# KiCad board panel.kicad_pcb (continued)
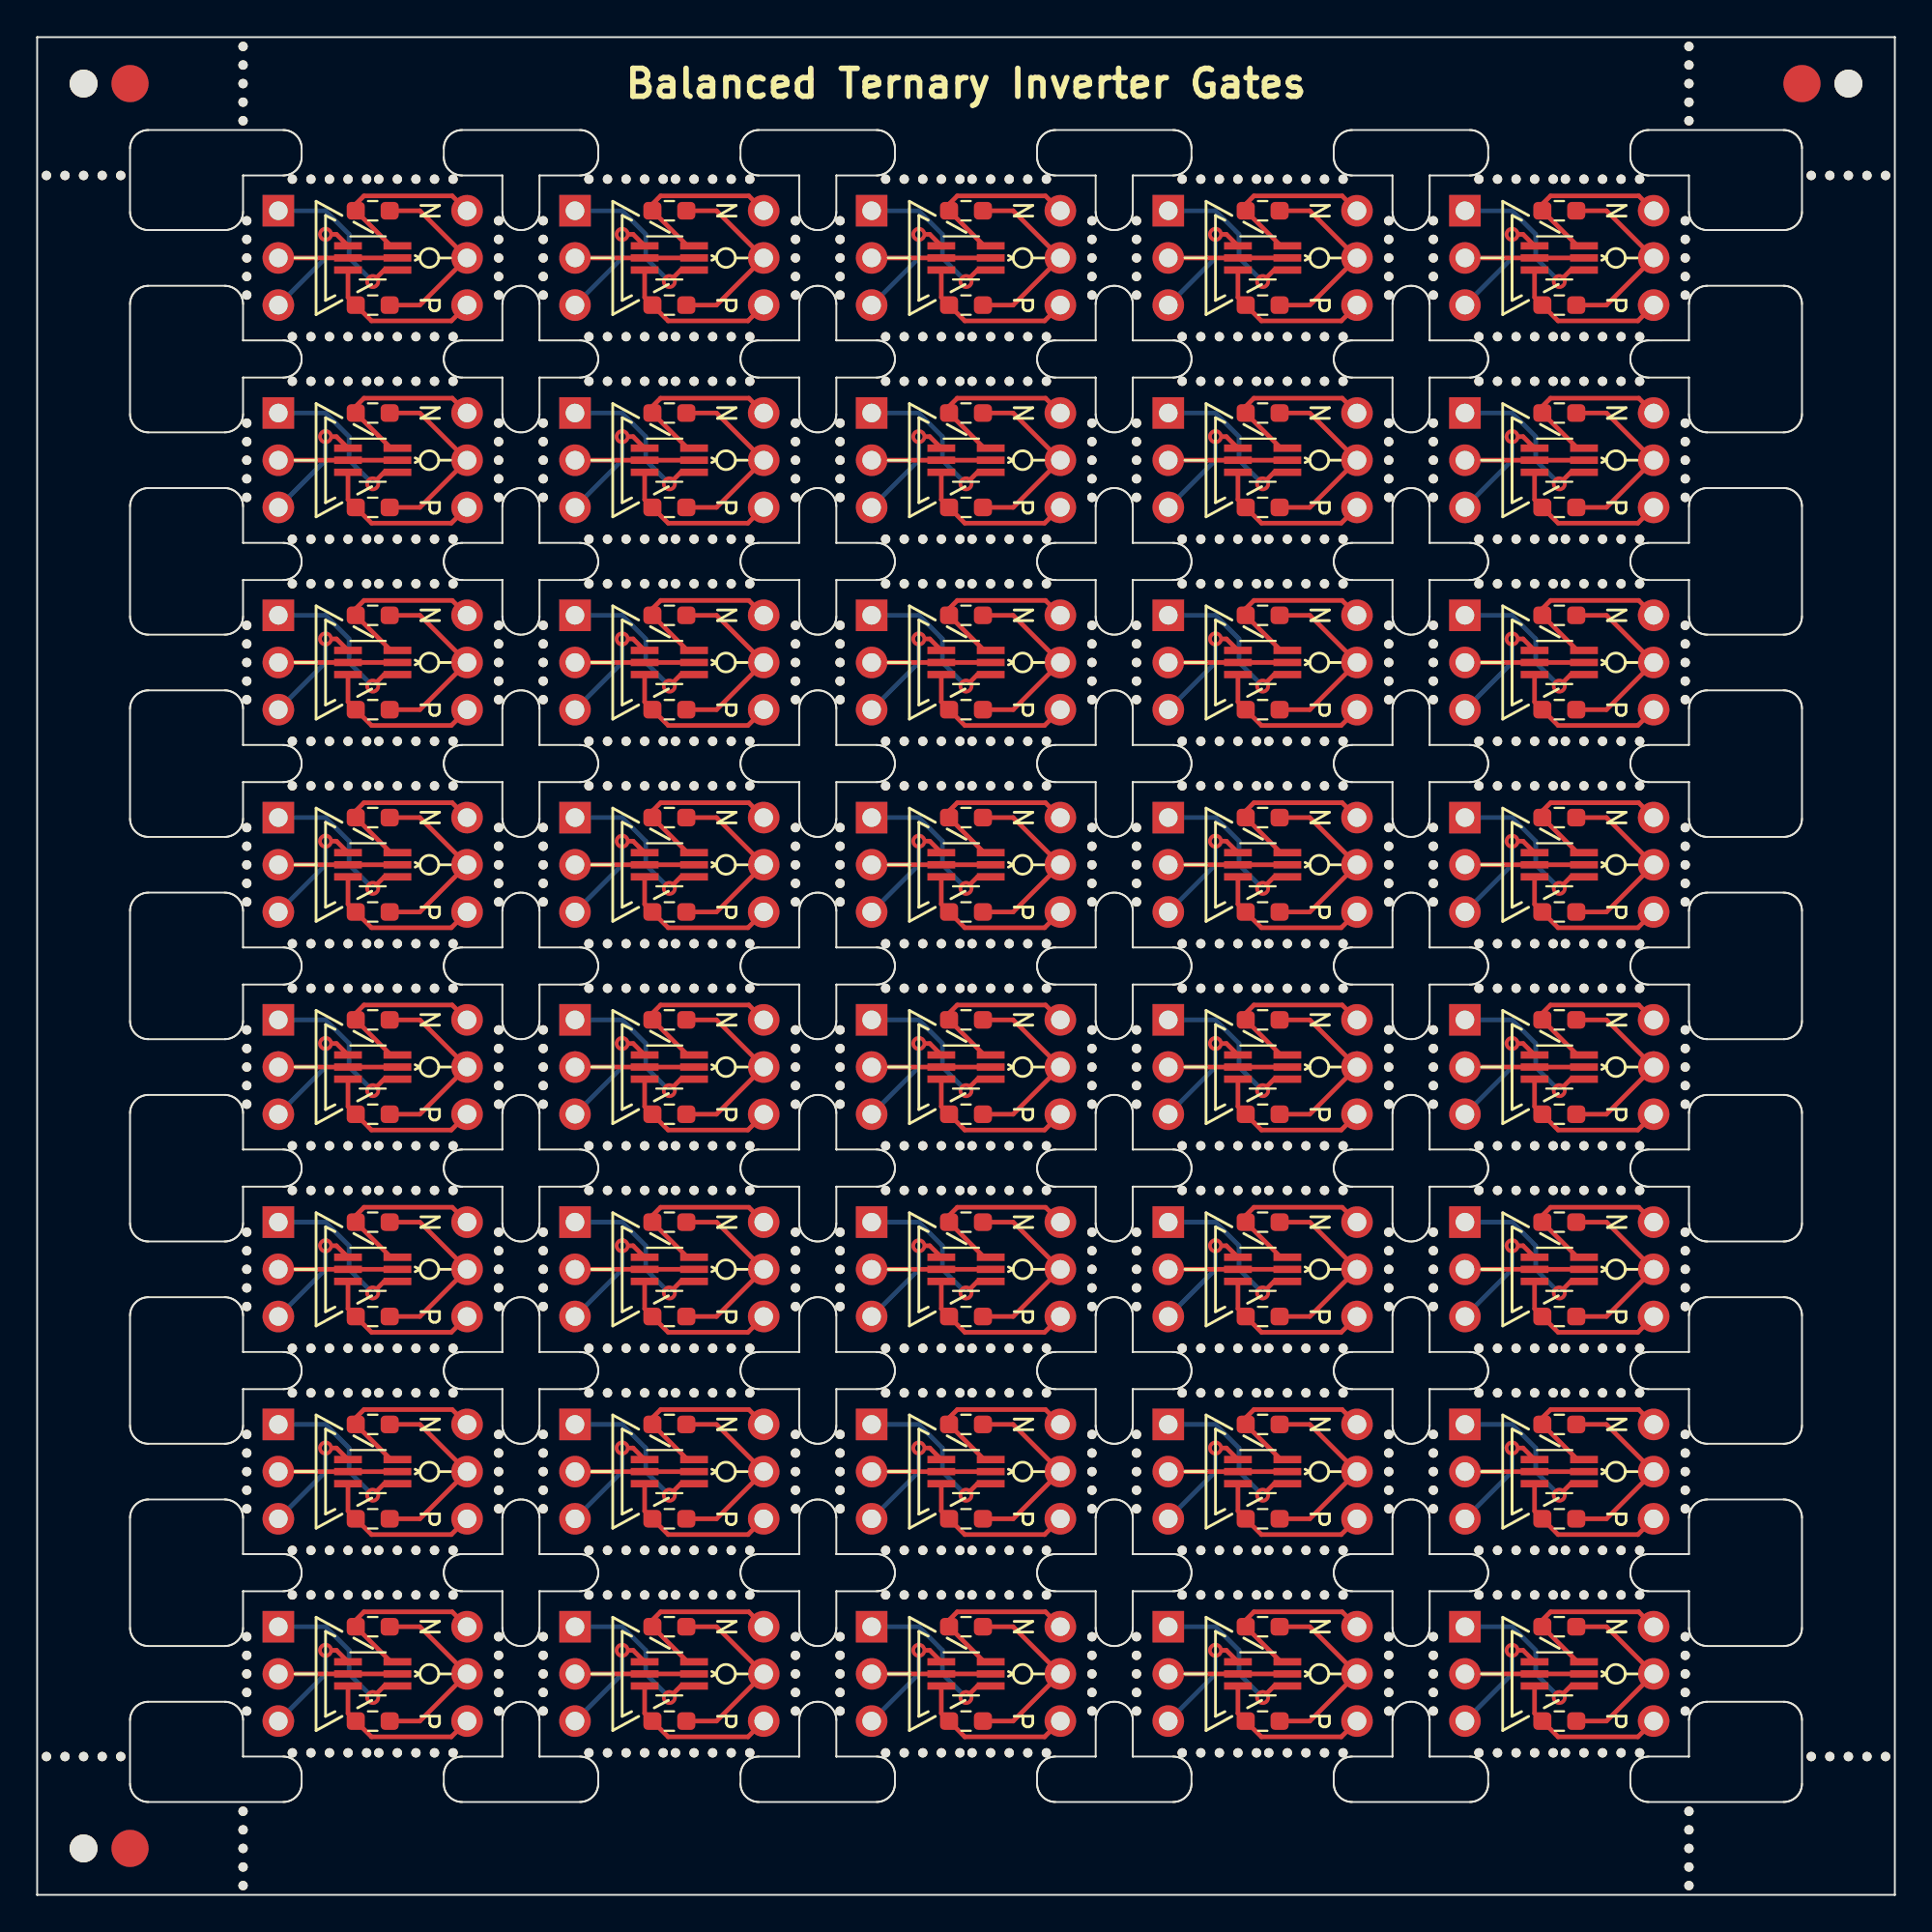
[diagram p0: board, top side]
## Nets (continued)
Board_39-In: J1#9.2 Q1#22.2 Q1#22.5
Board_39-Nti: J2#27.1 Q1#22.6 R2#38.2
Board_39-Out: J2#27.2 R1#2.2 R2#38.1
Board_39-Pti: J2#27.3 Q1#22.3 R1#2.1
Board_39-VDD: J1#9.1 Q1#22.4
Board_39-VSS: J1#9.3 Q1#22.1

## Via types
v1: diameter 0.8, hole 0.4, Top to Bottom, 80 vias

## Routing (per net, layer and track width the routed paths; a pad name or vN(x,y) marks a point on that pad's centre or on a via; arc(x,y) is an arc through that point)
Board_0-In: length 6.4
  Top w0.25: 19.4,88.13 Q1#39.2 J1#22.2
Board_0-Nti: length 9.9
  Top w0.25: J2#25.1 22.34,91.47 17.59,91.47 17.15,91.02 R2#31.2 19.04,88.78 19.4,88.78
Board_0-Out: length 10.4
  Top w0.25: R1#32.2 20.6,85.59 J2#25.2 20.6,90.67 R2#31.1
Board_0-Pti: length 8.8
  Top w0.25: J2#25.3 22.3,84.74 18,84.74 R1#32.1 16.73,86 Q1#39.3
Board_0-VDD: length 9
  Top w0.25: 19.4,87.48 18.69,87.48 v1(18.06,86.86)
  Bottom w0.25: v1(18.06,86.86) 16.8,88.13 16.8,89.4 15.52,90.67 J1#22.1
Board_0-VSS: length 6.3
  Top w0.25: Q1#39.1 16.11,89.4 v1(15.52,89.4)
  Bottom w0.25: J1#22.3 15.52,88.13 v1(15.52,89.4)
Board_1-In: length 6.4
  Top w0.25: J1#10.2 Q1#16.2 Q1#16.5
Board_1-Nti: length 9.9
  Top w0.25: Q1#16.6 35.01,88.78 R2#10.2 33.12,91.02 33.56,91.47 38.31,91.47 J2#14.1
Board_1-Out: length 10.4
  Top w0.25: R2#10.1 36.58,90.67 J2#14.2 36.58,85.59 R1#33.2
Board_1-Pti: length 8.8
  Top w0.25: J2#14.3 38.27,84.74 33.97,84.74 R1#33.1 32.7,86 Q1#16.3
Board_1-VDD: length 9
  Top w0.25: Q1#16.4 34.66,87.48 v1(34.03,86.86)
  Bottom w0.25: J1#10.1 31.49,90.67 32.77,89.4 32.77,88.13 v1(34.03,86.86)
Board_1-VSS: length 6.3
  Top w0.25: Q1#16.1 32.09,89.4 v1(31.49,89.4)
  Bottom w0.25: v1(31.49,89.4) 31.49,88.13 J1#10.3
Board_2-In: length 6.4
  Top w0.25: Q1#37.5 Q1#37.2 J1#33.2
Board_2-Nti: length 9.9
  Top w0.25: Q1#37.6 50.98,88.78 R2#25.2 49.09,91.02 49.53,91.47 54.28,91.47 J2#4.1
Board_2-Out: length 10.4
  Top w0.25: R1#18.2 52.55,85.59 J2#4.2 52.55,90.67 R2#25.1
Board_2-Pti: length 8.8
  Top w0.25: Q1#37.3 48.67,86 R1#18.1 49.94,84.74 54.23,84.74 J2#4.3
Board_2-VDD: length 9
  Top w0.25: Q1#37.4 50.62,87.48 v1(50,86.86)
  Bottom w0.25: v1(50,86.86) 48.73,88.13 48.73,89.4 47.47,90.67 J1#33.1
Board_2-VSS: length 6.3
  Top w0.25: Q1#37.1 48.05,89.4 v1(47.47,89.4)
  Bottom w0.25: J1#33.3 47.47,88.13 v1(47.47,89.4)
Board_3-In: length 6.4
  Top w0.25: J1#29.2 Q1#29.2 Q1#29.5
Board_3-Nti: length 9.9
  Top w0.25: Q1#29.6 66.95,88.78 R2#22.2 65.06,91.02 65.5,91.47 70.25,91.47 J2#12.1
Board_3-Out: length 10.4
  Top w0.25: R1#28.2 68.52,85.59 J2#12.2 68.52,90.67 R2#22.1
Board_3-Pti: length 8.8
  Top w0.25: J2#12.3 70.2,84.74 65.91,84.74 R1#28.1 64.64,86 Q1#29.3
Board_3-VDD: length 9
  Top w0.25: Q1#29.4 66.59,87.48 v1(65.97,86.86)
  Bottom w0.25: J1#29.1 63.44,90.67 64.7,89.4 64.7,88.13 v1(65.97,86.86)
Board_3-VSS: length 6.3
  Top w0.25: v1(63.44,89.4) 64.03,89.4 Q1#29.1
  Bottom w0.25: v1(63.44,89.4) 63.44,88.13 J1#29.3
Board_4-In: length 6.4
  Top w0.25: 83.28,88.13 Q1#19.2 J1#12.2
Board_4-Nti: length 9.9
  Top w0.25: J2#24.1 86.22,91.47 81.47,91.47 81.03,91.02 R2#11.2 82.92,88.78 83.28,88.78
Board_4-Out: length 10.4
  Top w0.25: R2#11.1 84.48,90.67 J2#24.2 84.48,85.59 R1#21.2
Board_4-Pti: length 8.8
  Top w0.25: J2#24.3 86.17,84.74 81.88,84.74 R1#21.1 80.61,86 Q1#19.3
Board_4-VDD: length 9
  Top w0.25: v1(81.94,86.86) 82.56,87.48 83.28,87.48
  Bottom w0.25: J1#12.1 79.41,90.67 80.67,89.4 80.67,88.13 v1(81.94,86.86)
Board_4-VSS: length 6.3
  Top w0.25: Q1#19.1 80,89.4 v1(79.41,89.4)
  Bottom w0.25: J1#12.3 79.41,88.13 v1(79.41,89.4)
Board_5-In: length 6.4
  Top w0.25: J1#26.2 Q1#27.2 19.4,77.24
Board_5-Nti: length 9.9
  Top w0.25: 19.4,77.89 19.04,77.89 R2#33.2 17.15,80.13 17.59,80.58 22.34,80.58 J2#33.1
Board_5-Out: length 10.4
  Top w0.25: R1#7.2 20.6,74.7 J2#33.2 20.6,79.78 R2#33.1
Board_5-Pti: length 8.8
  Top w0.25: Q1#27.3 16.73,75.11 R1#7.1 18,73.85 22.3,73.85 J2#33.3
Board_5-VDD: length 9
  Top w0.25: 19.4,76.59 18.69,76.59 v1(18.06,75.97)
  Bottom w0.25: J1#26.1 15.52,79.78 16.8,78.51 16.8,77.24 v1(18.06,75.97)
Board_5-VSS: length 6.3
  Top w0.25: Q1#27.1 16.11,78.51 v1(15.52,78.51)
  Bottom w0.25: J1#26.3 15.52,77.24 v1(15.52,78.51)
Board_6-In: length 6.4
  Top w0.25: J1.2 Q1#14.2 Q1#14.5
Board_6-Nti: length 9.9
  Top w0.25: J2#19.1 38.31,80.58 33.56,80.58 33.12,80.13 R2#5.2 35.01,77.89 Q1#14.6
Board_6-Out: length 10.4
  Top w0.25: R2#5.1 36.58,79.78 J2#19.2 36.58,74.7 R1#31.2
Board_6-Pti: length 8.8
  Top w0.25: Q1#14.3 32.7,75.11 R1#31.1 33.97,73.85 38.27,73.85 J2#19.3
Board_6-VDD: length 9
  Top w0.25: Q1#14.4 34.66,76.59 v1(34.03,75.97)
  Bottom w0.25: v1(34.03,75.97) 32.77,77.24 32.77,78.51 31.49,79.78 J1.1
Board_6-VSS: length 6.3
  Top w0.25: v1(31.49,78.51) 32.09,78.51 Q1#14.1
  Bottom w0.25: v1(31.49,78.51) 31.49,77.24 J1.3
Board_7-In: length 6.4
  Top w0.25: J1#21.2 Q1.2 Q1.5
Board_7-Nti: length 9.9
  Top w0.25: J2#29.1 54.28,80.58 49.53,80.58 49.09,80.13 R2#13.2 50.98,77.89 Q1.6
Board_7-Out: length 10.4
  Top w0.25: R2#13.1 52.55,79.78 J2#29.2 52.55,74.7 R1#30.2
Board_7-Pti: length 8.8
  Top w0.25: Q1.3 48.67,75.11 R1#30.1 49.94,73.85 54.23,73.85 J2#29.3
Board_7-VDD: length 9
  Top w0.25: v1(50,75.97) 50.62,76.59 Q1.4
  Bottom w0.25: v1(50,75.97) 48.73,77.24 48.73,78.51 47.47,79.78 J1#21.1
Board_7-VSS: length 6.3
  Top w0.25: Q1.1 48.05,78.51 v1(47.47,78.51)
  Bottom w0.25: v1(47.47,78.51) 47.47,77.24 J1#21.3
Board_8-In: length 6.4
  Top w0.25: J1#36.2 Q1#33.2 Q1#33.5
Board_8-Nti: length 9.9
  Top w0.25: J2#2.1 70.25,80.58 65.5,80.58 65.06,80.13 R2#9.2 66.95,77.89 Q1#33.6
Board_8-Out: length 10.4
  Top w0.25: R2#9.1 68.52,79.78 J2#2.2 68.52,74.7 R1#29.2
Board_8-Pti: length 8.8
  Top w0.25: Q1#33.3 64.64,75.11 R1#29.1 65.91,73.85 70.2,73.85 J2#2.3
Board_8-VDD: length 9
  Top w0.25: v1(65.97,75.97) 66.59,76.59 Q1#33.4
  Bottom w0.25: J1#36.1 63.44,79.78 64.7,78.51 64.7,77.24 v1(65.97,75.97)
Board_8-VSS: length 6.3
  Top w0.25: Q1#33.1 64.03,78.51 v1(63.44,78.51)
  Bottom w0.25: v1(63.44,78.51) 63.44,77.24 J1#36.3
Board_9-In: length 6.4
  Top w0.25: 83.28,77.24 Q1#15.2 J1#27.2
Board_9-Nti: length 9.9
  Top w0.25: J2.1 86.22,80.58 81.47,80.58 81.03,80.13 R2#40.2 82.92,77.89 83.28,77.89
Board_9-Out: length 10.4
  Top w0.25: R2#40.1 84.48,79.78 J2.2 84.48,74.7 R1#11.2
Board_9-Pti: length 8.8
  Top w0.25: Q1#15.3 80.61,75.11 R1#11.1 81.88,73.85 86.17,73.85 J2.3
Board_9-VDD: length 9
  Top w0.25: 83.28,76.59 82.56,76.59 v1(81.94,75.97)
  Bottom w0.25: J1#27.1 79.41,79.78 80.67,78.51 80.67,77.24 v1(81.94,75.97)
Board_9-VSS: length 6.3
  Top w0.25: v1(79.41,78.51) 80,78.51 Q1#15.1
  Bottom w0.25: v1(79.41,78.51) 79.41,77.24 J1#27.3
Board_10-In: length 6.4
  Top w0.25: 19.4,66.35 Q1#18.2 J1#13.2
Board_10-Nti: length 9.9
  Top w0.25: J2#20.1 22.34,69.69 17.59,69.69 17.15,69.24 R2#34.2 19.04,67 19.4,67
Board_10-Out: length 10.4
  Top w0.25: R1#35.2 20.6,63.81 J2#20.2 20.6,68.89 R2#34.1
Board_10-Pti: length 8.8
  Top w0.25: J2#20.3 22.3,62.96 18,62.96 R1#35.1 16.73,64.22 Q1#18.3
Board_10-VDD: length 9
  Top w0.25: 19.4,65.7 18.69,65.7 v1(18.06,65.08)
  Bottom w0.25: J1#13.1 15.52,68.89 16.8,67.62 16.8,66.35 v1(18.06,65.08)
Board_10-VSS: length 6.3
  Top w0.25: Q1#18.1 16.11,67.62 v1(15.52,67.62)
  Bottom w0.25: J1#13.3 15.52,66.35 v1(15.52,67.62)
Board_11-In: length 6.4
  Top w0.25: J1#7.2 Q1#28.2 Q1#28.5
Board_11-Nti: length 9.9
  Top w0.25: Q1#28.6 35.01,67 R2#17.2 33.12,69.24 33.56,69.69 38.31,69.69 J2#11.1
Board_11-Out: length 10.4
  Top w0.25: R2#17.1 36.58,68.89 J2#11.2 36.58,63.81 R1#36.2
Board_11-Pti: length 8.8
  Top w0.25: J2#11.3 38.27,62.96 33.97,62.96 R1#36.1 32.7,64.22 Q1#28.3
Board_11-VDD: length 9
  Top w0.25: v1(34.03,65.08) 34.66,65.7 Q1#28.4
  Bottom w0.25: J1#7.1 31.49,68.89 32.77,67.62 32.77,66.35 v1(34.03,65.08)
Board_11-VSS: length 6.3
  Top w0.25: v1(31.49,67.62) 32.09,67.62 Q1#28.1
  Bottom w0.25: J1#7.3 31.49,66.35 v1(31.49,67.62)
Board_12-In: length 6.4
  Top w0.25: J1#3.2 Q1#20.2 Q1#20.5
Board_12-Nti: length 9.9
  Top w0.25: Q1#20.6 50.98,67 R2#28.2 49.09,69.24 49.53,69.69 54.28,69.69 J2#21.1
Board_12-Out: length 10.4
  Top w0.25: R2#28.1 52.55,68.89 J2#21.2 52.55,63.81 R1#25.2
Board_12-Pti: length 8.8
  Top w0.25: Q1#20.3 48.67,64.22 R1#25.1 49.94,62.96 54.23,62.96 J2#21.3
Board_12-VDD: length 9
  Top w0.25: v1(50,65.08) 50.62,65.7 Q1#20.4
  Bottom w0.25: J1#3.1 47.47,68.89 48.73,67.62 48.73,66.35 v1(50,65.08)
Board_12-VSS: length 6.3
  Top w0.25: Q1#20.1 48.05,67.62 v1(47.47,67.62)
  Bottom w0.25: J1#3.3 47.47,66.35 v1(47.47,67.62)
Board_13-In: length 6.4
  Top w0.25: J1#38.2 Q1#6.2 Q1#6.5
Board_13-Nti: length 9.9
  Top w0.25: J2#17.1 70.25,69.69 65.5,69.69 65.06,69.24 R2.2 66.95,67 Q1#6.6
Board_13-Out: length 10.4
  Top w0.25: R2.1 68.52,68.89 J2#17.2 68.52,63.81 R1#10.2
Board_13-Pti: length 8.8
  Top w0.25: J2#17.3 70.2,62.96 65.91,62.96 R1#10.1 64.64,64.22 Q1#6.3
Board_13-VDD: length 9
  Top w0.25: Q1#6.4 66.59,65.7 v1(65.97,65.08)
  Bottom w0.25: v1(65.97,65.08) 64.7,66.35 64.7,67.62 63.44,68.89 J1#38.1
Board_13-VSS: length 6.3
  Top w0.25: Q1#6.1 64.03,67.62 v1(63.44,67.62)
  Bottom w0.25: J1#38.3 63.44,66.35 v1(63.44,67.62)
Board_14-In: length 6.4
  Top w0.25: 83.28,66.35 Q1#5.2 J1#34.2
Board_14-Nti: length 9.9
  Top w0.25: J2#30.1 86.22,69.69 81.47,69.69 81.03,69.24 R2#8.2 82.92,67 83.28,67
Board_14-Out: length 10.4
  Top w0.25: R2#8.1 84.48,68.89 J2#30.2 84.48,63.81 R1#34.2
Board_14-Pti: length 8.8
  Top w0.25: Q1#5.3 80.61,64.22 R1#34.1 81.88,62.96 86.17,62.96 J2#30.3
Board_14-VDD: length 9
  Top w0.25: v1(81.94,65.08) 82.56,65.7 83.28,65.7
  Bottom w0.25: v1(81.94,65.08) 80.67,66.35 80.67,67.62 79.41,68.89 J1#34.1
Board_14-VSS: length 6.3
  Top w0.25: v1(79.41,67.62) 80,67.62 Q1#5.1
  Bottom w0.25: v1(79.41,67.62) 79.41,66.35 J1#34.3
Board_15-In: length 6.4
  Top w0.25: J1#40.2 Q1#12.2 19.4,55.46
Board_15-Nti: length 9.9
  Top w0.25: J2#31.1 22.34,58.8 17.59,58.8 17.15,58.35 R2#21.2 19.04,56.11 19.4,56.11
Board_15-Out: length 10.4
  Top w0.25: R2#21.1 20.6,58 J2#31.2 20.6,52.92 R1#3.2
Board_15-Pti: length 8.8
  Top w0.25: Q1#12.3 16.73,53.33 R1#3.1 18,52.07 22.3,52.07 J2#31.3
Board_15-VDD: length 9
  Top w0.25: v1(18.06,54.19) 18.69,54.81 19.4,54.81
  Bottom w0.25: J1#40.1 15.52,58 16.8,56.73 16.8,55.46 v1(18.06,54.19)
Board_15-VSS: length 6.3
  Top w0.25: Q1#12.1 16.11,56.73 v1(15.52,56.73)
  Bottom w0.25: J1#40.3 15.52,55.46 v1(15.52,56.73)
Board_16-In: length 6.4
  Top w0.25: Q1#35.5 Q1#35.2 J1#37.2
Board_16-Nti: length 9.9
  Top w0.25: J2#38.1 38.31,58.8 33.56,58.8 33.12,58.35 R2#7.2 35.01,56.11 Q1#35.6
Board_16-Out: length 10.4
  Top w0.25: R1#6.2 36.58,52.92 J2#38.2 36.58,58 R2#7.1
Board_16-Pti: length 8.8
  Top w0.25: Q1#35.3 32.7,53.33 R1#6.1 33.97,52.07 38.27,52.07 J2#38.3
Board_16-VDD: length 9
  Top w0.25: v1(34.03,54.19) 34.66,54.81 Q1#35.4
  Bottom w0.25: J1#37.1 31.49,58 32.77,56.73 32.77,55.46 v1(34.03,54.19)
Board_16-VSS: length 6.3
  Top w0.25: Q1#35.1 32.09,56.73 v1(31.49,56.73)
  Bottom w0.25: J1#37.3 31.49,55.46 v1(31.49,56.73)
Board_17-In: length 6.4
  Top w0.25: J1#15.2 Q1#23.2 Q1#23.5
Board_17-Nti: length 9.9
  Top w0.25: Q1#23.6 50.98,56.11 R2#27.2 49.09,58.35 49.53,58.8 54.28,58.8 J2#32.1
Board_17-Out: length 10.4
  Top w0.25: R1#15.2 52.55,52.92 J2#32.2 52.55,58 R2#27.1
Board_17-Pti: length 8.8
  Top w0.25: J2#32.3 54.23,52.07 49.94,52.07 R1#15.1 48.67,53.33 Q1#23.3
Board_17-VDD: length 9
  Top w0.25: v1(50,54.19) 50.62,54.81 Q1#23.4
  Bottom w0.25: v1(50,54.19) 48.73,55.46 48.73,56.73 47.47,58 J1#15.1
Board_17-VSS: length 6.3
  Top w0.25: v1(47.47,56.73) 48.05,56.73 Q1#23.1
  Bottom w0.25: v1(47.47,56.73) 47.47,55.46 J1#15.3
Board_18-In: length 6.4
  Top w0.25: Q1#38.5 Q1#38.2 J1#14.2
Board_18-Nti: length 9.9
  Top w0.25: J2#37.1 70.25,58.8 65.5,58.8 65.06,58.35 R2#6.2 66.95,56.11 Q1#38.6
Board_18-Out: length 10.4
  Top w0.25: R1#16.2 68.52,52.92 J2#37.2 68.52,58 R2#6.1
Board_18-Pti: length 8.8
  Top w0.25: J2#37.3 70.2,52.07 65.91,52.07 R1#16.1 64.64,53.33 Q1#38.3
Board_18-VDD: length 9
  Top w0.25: Q1#38.4 66.59,54.81 v1(65.97,54.19)
  Bottom w0.25: v1(65.97,54.19) 64.7,55.46 64.7,56.73 63.44,58 J1#14.1
Board_18-VSS: length 6.3
  Top w0.25: Q1#38.1 64.03,56.73 v1(63.44,56.73)
  Bottom w0.25: J1#14.3 63.44,55.46 v1(63.44,56.73)
Board_19-In: length 6.4
  Top w0.25: 83.28,55.46 Q1#9.2 J1#17.2
Board_19-Nti: length 9.9
  Top w0.25: 83.28,56.11 82.92,56.11 R2#16.2 81.03,58.35 81.47,58.8 86.22,58.8 J2#36.1
Board_19-Out: length 10.4
  Top w0.25: R2#16.1 84.48,58 J2#36.2 84.48,52.92 R1#13.2
Board_19-Pti: length 8.8
  Top w0.25: Q1#9.3 80.61,53.33 R1#13.1 81.88,52.07 86.17,52.07 J2#36.3
Board_19-VDD: length 9
  Top w0.25: v1(81.94,54.19) 82.56,54.81 83.28,54.81
  Bottom w0.25: J1#17.1 79.41,58 80.67,56.73 80.67,55.46 v1(81.94,54.19)
Board_19-VSS: length 6.3
  Top w0.25: Q1#9.1 80,56.73 v1(79.41,56.73)
  Bottom w0.25: J1#17.3 79.41,55.46 v1(79.41,56.73)
Board_20-In: length 6.4
  Top w0.25: J1#11.2 Q1#8.2 19.4,44.57
Board_20-Nti: length 9.9
  Top w0.25: 19.4,45.22 19.04,45.22 R2#3.2 17.15,47.46 17.59,47.91 22.34,47.91 J2#3.1
Board_20-Out: length 10.4
  Top w0.25: R2#3.1 20.6,47.11 J2#3.2 20.6,42.03 R1#27.2
Board_20-Pti: length 8.8
  Top w0.25: J2#3.3 22.3,41.18 18,41.18 R1#27.1 16.73,42.44 Q1#8.3
Board_20-VDD: length 9
  Top w0.25: v1(18.06,43.3) 18.69,43.92 19.4,43.92
  Bottom w0.25: v1(18.06,43.3) 16.8,44.57 16.8,45.84 15.52,47.11 J1#11.1
Board_20-VSS: length 6.3
  Top w0.25: Q1#8.1 16.11,45.84 v1(15.52,45.84)
  Bottom w0.25: v1(15.52,45.84) 15.52,44.57 J1#11.3
Board_21-In: length 6.4
  Top w0.25: J1#35.2 Q1#40.2 Q1#40.5
Board_21-Nti: length 9.9
  Top w0.25: J2#9.1 38.31,47.91 33.56,47.91 33.12,47.46 R2#4.2 35.01,45.22 Q1#40.6
Board_21-Out: length 10.4
  Top w0.25: R1.2 36.58,42.03 J2#9.2 36.58,47.11 R2#4.1
Board_21-Pti: length 8.8
  Top w0.25: Q1#40.3 32.7,42.44 R1.1 33.97,41.18 38.27,41.18 J2#9.3
Board_21-VDD: length 9
  Top w0.25: Q1#40.4 34.66,43.92 v1(34.03,43.3)
  Bottom w0.25: v1(34.03,43.3) 32.77,44.57 32.77,45.84 31.49,47.11 J1#35.1
Board_21-VSS: length 6.3
  Top w0.25: Q1#40.1 32.09,45.84 v1(31.49,45.84)
  Bottom w0.25: J1#35.3 31.49,44.57 v1(31.49,45.84)
Board_22-In: length 6.4
  Top w0.25: J1#5.2 Q1#36.2 Q1#36.5
Board_22-Nti: length 9.9
  Top w0.25: J2#28.1 54.28,47.91 49.53,47.91 49.09,47.46 R2#39.2 50.98,45.22 Q1#36.6
Board_22-Out: length 10.4
  Top w0.25: R2#39.1 52.55,47.11 J2#28.2 52.55,42.03 R1#38.2
Board_22-Pti: length 8.8
  Top w0.25: Q1#36.3 48.67,42.44 R1#38.1 49.94,41.18 54.23,41.18 J2#28.3
Board_22-VDD: length 9
  Top w0.25: v1(50,43.3) 50.62,43.92 Q1#36.4
  Bottom w0.25: J1#5.1 47.47,47.11 48.73,45.84 48.73,44.57 v1(50,43.3)
Board_22-VSS: length 6.3
  Top w0.25: Q1#36.1 48.05,45.84 v1(47.47,45.84)
  Bottom w0.25: v1(47.47,45.84) 47.47,44.57 J1#5.3
Board_23-In: length 6.4
  Top w0.25: J1#39.2 Q1#30.2 Q1#30.5
Board_23-Nti: length 9.9
  Top w0.25: J2#22.1 70.25,47.91 65.5,47.91 65.06,47.46 R2#2.2 66.95,45.22 Q1#30.6
Board_23-Out: length 10.4
  Top w0.25: R2#2.1 68.52,47.11 J2#22.2 68.52,42.03 R1#5.2
Board_23-Pti: length 8.8
  Top w0.25: J2#22.3 70.2,41.18 65.91,41.18 R1#5.1 64.64,42.44 Q1#30.3
Board_23-VDD: length 9
  Top w0.25: v1(65.97,43.3) 66.59,43.92 Q1#30.4
  Bottom w0.25: J1#39.1 63.44,47.11 64.7,45.84 64.7,44.57 v1(65.97,43.3)
Board_23-VSS: length 6.3
  Top w0.25: Q1#30.1 64.03,45.84 v1(63.44,45.84)
  Bottom w0.25: J1#39.3 63.44,44.57 v1(63.44,45.84)
Board_24-In: length 6.4
  Top w0.25: 83.28,44.57 Q1#24.2 J1#32.2
Board_24-Nti: length 9.9
  Top w0.25: 83.28,45.22 82.92,45.22 R2#20.2 81.03,47.46 81.47,47.91 86.22,47.91 J2#6.1
Board_24-Out: length 10.4
  Top w0.25: R2#20.1 84.48,47.11 J2#6.2 84.48,42.03 R1#14.2
Board_24-Pti: length 8.8
  Top w0.25: Q1#24.3 80.61,42.44 R1#14.1 81.88,41.18 86.17,41.18 J2#6.3
Board_24-VDD: length 9
  Top w0.25: 83.28,43.92 82.56,43.92 v1(81.94,43.3)
  Bottom w0.25: J1#32.1 79.41,47.11 80.67,45.84 80.67,44.57 v1(81.94,43.3)
Board_24-VSS: length 6.3
  Top w0.25: Q1#24.1 80,45.84 v1(79.41,45.84)
  Bottom w0.25: v1(79.41,45.84) 79.41,44.57 J1#32.3
Board_25-In: length 6.4
  Top w0.25: J1#16.2 Q1#17.2 19.4,33.68
Board_25-Nti: length 9.9
  Top w0.25: 19.4,34.33 19.04,34.33 R2#29.2 17.15,36.57 17.59,37.02 22.34,37.02 J2#40.1
Board_25-Out: length 10.4
  Top w0.25: R1#40.2 20.6,31.14 J2#40.2 20.6,36.22 R2#29.1
Board_25-Pti: length 8.8
  Top w0.25: J2#40.3 22.3,30.29 18,30.29 R1#40.1 16.73,31.55 Q1#17.3
Board_25-VDD: length 9
  Top w0.25: v1(18.06,32.41) 18.69,33.03 19.4,33.03
  Bottom w0.25: J1#16.1 15.52,36.22 16.8,34.95 16.8,33.68 v1(18.06,32.41)
Board_25-VSS: length 6.3
  Top w0.25: v1(15.52,34.95) 16.11,34.95 Q1#17.1
  Bottom w0.25: J1#16.3 15.52,33.68 v1(15.52,34.95)
Board_26-In: length 6.4
  Top w0.25: J1#30.2 Q1#31.2 Q1#31.5
Board_26-Nti: length 9.9
  Top w0.25: Q1#31.6 35.01,34.33 R2#26.2 33.12,36.57 33.56,37.02 38.31,37.02 J2#16.1
Board_26-Out: length 10.4
  Top w0.25: R1#37.2 36.58,31.14 J2#16.2 36.58,36.22 R2#26.1
Board_26-Pti: length 8.8
  Top w0.25: J2#16.3 38.27,30.29 33.97,30.29 R1#37.1 32.7,31.55 Q1#31.3
Board_26-VDD: length 9
  Top w0.25: Q1#31.4 34.66,33.03 v1(34.03,32.41)
  Bottom w0.25: J1#30.1 31.49,36.22 32.77,34.95 32.77,33.68 v1(34.03,32.41)
Board_26-VSS: length 6.3
  Top w0.25: v1(31.49,34.95) 32.09,34.95 Q1#31.1
  Bottom w0.25: v1(31.49,34.95) 31.49,33.68 J1#30.3
Board_27-In: length 6.4
  Top w0.25: Q1#32.5 Q1#32.2 J1#23.2
Board_27-Nti: length 9.9
  Top w0.25: Q1#32.6 50.98,34.33 R2#19.2 49.09,36.57 49.53,37.02 54.28,37.02 J2#10.1
Board_27-Out: length 10.4
  Top w0.25: R2#19.1 52.55,36.22 J2#10.2 52.55,31.14 R1#23.2
Board_27-Pti: length 8.8
  Top w0.25: Q1#32.3 48.67,31.55 R1#23.1 49.94,30.29 54.23,30.29 J2#10.3
Board_27-VDD: length 9
  Top w0.25: v1(50,32.41) 50.62,33.03 Q1#32.4
  Bottom w0.25: v1(50,32.41) 48.73,33.68 48.73,34.95 47.47,36.22 J1#23.1
Board_27-VSS: length 6.3
  Top w0.25: Q1#32.1 48.05,34.95 v1(47.47,34.95)
  Bottom w0.25: J1#23.3 47.47,33.68 v1(47.47,34.95)
Board_28-In: length 6.4
  Top w0.25: Q1#11.5 Q1#11.2 J1#2.2
Board_28-Nti: length 9.9
  Top w0.25: Q1#11.6 66.95,34.33 R2#12.2 65.06,36.57 65.5,37.02 70.25,37.02 J2#8.1
Board_28-Out: length 10.4
  Top w0.25: R1#26.2 68.52,31.14 J2#8.2 68.52,36.22 R2#12.1
Board_28-Pti: length 8.8
  Top w0.25: J2#8.3 70.2,30.29 65.91,30.29 R1#26.1 64.64,31.55 Q1#11.3
Board_28-VDD: length 9
  Top w0.25: v1(65.97,32.41) 66.59,33.03 Q1#11.4
  Bottom w0.25: J1#2.1 63.44,36.22 64.7,34.95 64.7,33.68 v1(65.97,32.41)
Board_28-VSS: length 6.3
  Top w0.25: v1(63.44,34.95) 64.03,34.95 Q1#11.1
  Bottom w0.25: J1#2.3 63.44,33.68 v1(63.44,34.95)
Board_29-In: length 6.4
  Top w0.25: J1#4.2 Q1#13.2 83.28,33.68
Board_29-Nti: length 9.9
  Top w0.25: 83.28,34.33 82.92,34.33 R2#32.2 81.03,36.57 81.47,37.02 86.22,37.02 J2#39.1
Board_29-Out: length 10.4
  Top w0.25: R1#9.2 84.48,31.14 J2#39.2 84.48,36.22 R2#32.1
Board_29-Pti: length 8.8
  Top w0.25: Q1#13.3 80.61,31.55 R1#9.1 81.88,30.29 86.17,30.29 J2#39.3
Board_29-VDD: length 9
  Top w0.25: v1(81.94,32.41) 82.56,33.03 83.28,33.03
  Bottom w0.25: v1(81.94,32.41) 80.67,33.68 80.67,34.95 79.41,36.22 J1#4.1
Board_29-VSS: length 6.3
  Top w0.25: Q1#13.1 80,34.95 v1(79.41,34.95)
  Bottom w0.25: J1#4.3 79.41,33.68 v1(79.41,34.95)
Board_30-In: length 6.4
  Top w0.25: J1#25.2 Q1#2.2 19.4,22.79
Board_30-Nti: length 9.9
  Top w0.25: J2#13.1 22.34,26.13 17.59,26.13 17.15,25.68 R2#18.2 19.04,23.44 19.4,23.44
Board_30-Out: length 10.4
  Top w0.25: R2#18.1 20.6,25.33 J2#13.2 20.6,20.25 R1#12.2
Board_30-Pti: length 8.8
  Top w0.25: J2#13.3 22.3,19.4 18,19.4 R1#12.1 16.73,20.66 Q1#2.3
Board_30-VDD: length 9
  Top w0.25: 19.4,22.14 18.69,22.14 v1(18.06,21.52)
  Bottom w0.25: J1#25.1 15.52,25.33 16.8,24.06 16.8,22.79 v1(18.06,21.52)
Board_30-VSS: length 6.3
  Top w0.25: v1(15.52,24.06) 16.11,24.06 Q1#2.1
  Bottom w0.25: J1#25.3 15.52,22.79 v1(15.52,24.06)
Board_31-In: length 6.4
  Top w0.25: Q1#21.5 Q1#21.2 J1#18.2
Board_31-Nti: length 9.9
  Top w0.25: J2#5.1 38.31,26.13 33.56,26.13 33.12,25.68 R2#24.2 35.01,23.44 Q1#21.6
Board_31-Out: length 10.4
  Top w0.25: R1#39.2 36.58,20.25 J2#5.2 36.58,25.33 R2#24.1
Board_31-Pti: length 8.8
  Top w0.25: Q1#21.3 32.7,20.66 R1#39.1 33.97,19.4 38.27,19.4 J2#5.3
Board_31-VDD: length 9
  Top w0.25: v1(34.03,21.52) 34.66,22.14 Q1#21.4
  Bottom w0.25: J1#18.1 31.49,25.33 32.77,24.06 32.77,22.79 v1(34.03,21.52)
Board_31-VSS: length 6.3
  Top w0.25: v1(31.49,24.06) 32.09,24.06 Q1#21.1
  Bottom w0.25: J1#18.3 31.49,22.79 v1(31.49,24.06)
Board_32-In: length 6.4
  Top w0.25: Q1#7.5 Q1#7.2 J1#28.2
Board_32-Nti: length 9.9
  Top w0.25: J2#34.1 54.28,26.13 49.53,26.13 49.09,25.68 R2#37.2 50.98,23.44 Q1#7.6
Board_32-Out: length 10.4
  Top w0.25: R2#37.1 52.55,25.33 J2#34.2 52.55,20.25 R1#4.2
Board_32-Pti: length 8.8
  Top w0.25: J2#34.3 54.23,19.4 49.94,19.4 R1#4.1 48.67,20.66 Q1#7.3
Board_32-VDD: length 9
  Top w0.25: Q1#7.4 50.62,22.14 v1(50,21.52)
  Bottom w0.25: J1#28.1 47.47,25.33 48.73,24.06 48.73,22.79 v1(50,21.52)
Board_32-VSS: length 6.3
  Top w0.25: v1(47.47,24.06) 48.05,24.06 Q1#7.1
  Bottom w0.25: v1(47.47,24.06) 47.47,22.79 J1#28.3
Board_33-In: length 6.4
  Top w0.25: Q1#10.5 Q1#10.2 J1#20.2
Board_33-Nti: length 9.9
  Top w0.25: J2#18.1 70.25,26.13 65.5,26.13 65.06,25.68 R2#23.2 66.95,23.44 Q1#10.6
Board_33-Out: length 10.4
  Top w0.25: R1#19.2 68.52,20.25 J2#18.2 68.52,25.33 R2#23.1
Board_33-Pti: length 8.8
  Top w0.25: Q1#10.3 64.64,20.66 R1#19.1 65.91,19.4 70.2,19.4 J2#18.3
Board_33-VDD: length 9
  Top w0.25: Q1#10.4 66.59,22.14 v1(65.97,21.52)
  Bottom w0.25: v1(65.97,21.52) 64.7,22.79 64.7,24.06 63.44,25.33 J1#20.1
Board_33-VSS: length 6.3
  Top w0.25: Q1#10.1 64.03,24.06 v1(63.44,24.06)
  Bottom w0.25: v1(63.44,24.06) 63.44,22.79 J1#20.3
Board_34-In: length 6.4
  Top w0.25: J1#8.2 Q1#4.2 83.28,22.79
Board_34-Nti: length 9.9
  Top w0.25: J2#23.1 86.22,26.13 81.47,26.13 81.03,25.68 R2#14.2 82.92,23.44 83.28,23.44
Board_34-Out: length 10.4
  Top w0.25: R1#8.2 84.48,20.25 J2#23.2 84.48,25.33 R2#14.1
Board_34-Pti: length 8.8
  Top w0.25: Q1#4.3 80.61,20.66 R1#8.1 81.88,19.4 86.17,19.4 J2#23.3
Board_34-VDD: length 9
  Top w0.25: 83.28,22.14 82.56,22.14 v1(81.94,21.52)
  Bottom w0.25: J1#8.1 79.41,25.33 80.67,24.06 80.67,22.79 v1(81.94,21.52)
Board_34-VSS: length 6.3
  Top w0.25: v1(79.41,24.06) 80,24.06 Q1#4.1
  Bottom w0.25: J1#8.3 79.41,22.79 v1(79.41,24.06)
Board_35-In: length 6.4
  Top w0.25: 19.4,11.9 Q1#3.2 J1#31.2
Board_35-Nti: length 9.9
  Top w0.25: 19.4,12.55 19.04,12.55 R2#15.2 17.15,14.79 17.59,15.24 22.34,15.24 J2#15.1
Board_35-Out: length 10.4
  Top w0.25: R2#15.1 20.6,14.44 J2#15.2 20.6,9.36 R1#17.2
Board_35-Pti: length 8.8
  Top w0.25: Q1#3.3 16.73,9.77 R1#17.1 18,8.51 22.3,8.51 J2#15.3
Board_35-VDD: length 9
  Top w0.25: 19.4,11.25 18.69,11.25 v1(18.06,10.63)
  Bottom w0.25: v1(18.06,10.63) 16.8,11.9 16.8,13.17 15.52,14.44 J1#31.1
Board_35-VSS: length 6.3
  Top w0.25: Q1#3.1 16.11,13.17 v1(15.52,13.17)
  Bottom w0.25: v1(15.52,13.17) 15.52,11.9 J1#31.3
Board_36-In: length 6.4
  Top w0.25: Q1#26.5 Q1#26.2 J1#6.2
Board_36-Nti: length 9.9
  Top w0.25: J2#26.1 38.31,15.24 33.56,15.24 33.12,14.79 R2#30.2 35.01,12.55 Q1#26.6
Board_36-Out: length 10.4
  Top w0.25: R2#30.1 36.58,14.44 J2#26.2 36.58,9.36 R1#24.2
Board_36-Pti: length 8.8
  Top w0.25: Q1#26.3 32.7,9.77 R1#24.1 33.97,8.51 38.27,8.51 J2#26.3
Board_36-VDD: length 9
  Top w0.25: v1(34.03,10.63) 34.66,11.25 Q1#26.4
  Bottom w0.25: J1#6.1 31.49,14.44 32.77,13.17 32.77,11.9 v1(34.03,10.63)
Board_36-VSS: length 6.3
  Top w0.25: Q1#26.1 32.09,13.17 v1(31.49,13.17)
  Bottom w0.25: J1#6.3 31.49,11.9 v1(31.49,13.17)
Board_37-In: length 6.4
  Top w0.25: Q1#25.5 Q1#25.2 J1#19.2
Board_37-Nti: length 9.9
  Top w0.25: Q1#25.6 50.98,12.55 R2#35.2 49.09,14.79 49.53,15.24 54.28,15.24 J2#7.1
Board_37-Out: length 10.4
  Top w0.25: R1#22.2 52.55,9.36 J2#7.2 52.55,14.44 R2#35.1
Board_37-Pti: length 8.8
  Top w0.25: Q1#25.3 48.67,9.77 R1#22.1 49.94,8.51 54.23,8.51 J2#7.3
Board_37-VDD: length 9
  Top w0.25: v1(50,10.63) 50.62,11.25 Q1#25.4
  Bottom w0.25: J1#19.1 47.47,14.44 48.73,13.17 48.73,11.9 v1(50,10.63)
Board_37-VSS: length 6.3
  Top w0.25: Q1#25.1 48.05,13.17 v1(47.47,13.17)
  Bottom w0.25: v1(47.47,13.17) 47.47,11.9 J1#19.3
Board_38-In: length 6.4
  Top w0.25: J1#24.2 Q1#34.2 Q1#34.5
Board_38-Nti: length 9.9
  Top w0.25: Q1#34.6 66.95,12.55 R2#36.2 65.06,14.79 65.5,15.24 70.25,15.24 J2#35.1
Board_38-Out: length 10.4
  Top w0.25: R1#20.2 68.52,9.36 J2#35.2 68.52,14.44 R2#36.1
Board_38-Pti: length 8.8
  Top w0.25: J2#35.3 70.2,8.51 65.91,8.51 R1#20.1 64.64,9.77 Q1#34.3
Board_38-VDD: length 9
  Top w0.25: v1(65.97,10.63) 66.59,11.25 Q1#34.4
  Bottom w0.25: J1#24.1 63.44,14.44 64.7,13.17 64.7,11.9 v1(65.97,10.63)
Board_38-VSS: length 6.3
  Top w0.25: Q1#34.1 64.03,13.17 v1(63.44,13.17)
  Bottom w0.25: v1(63.44,13.17) 63.44,11.9 J1#24.3
Board_39-In: length 6.4
  Top w0.25: J1#9.2 Q1#22.2 83.28,11.9
Board_39-Nti: length 9.9
  Top w0.25: J2#27.1 86.22,15.24 81.47,15.24 81.03,14.79 R2#38.2 82.92,12.55 83.28,12.55
Board_39-Out: length 10.4
  Top w0.25: R1#2.2 84.48,9.36 J2#27.2 84.48,14.44 R2#38.1
Board_39-Pti: length 8.8
  Top w0.25: J2#27.3 86.17,8.51 81.88,8.51 R1#2.1 80.61,9.77 Q1#22.3
